# Altium PCB RPI_HAT_AMP_TAS5756_01.PcbDoc (continued)
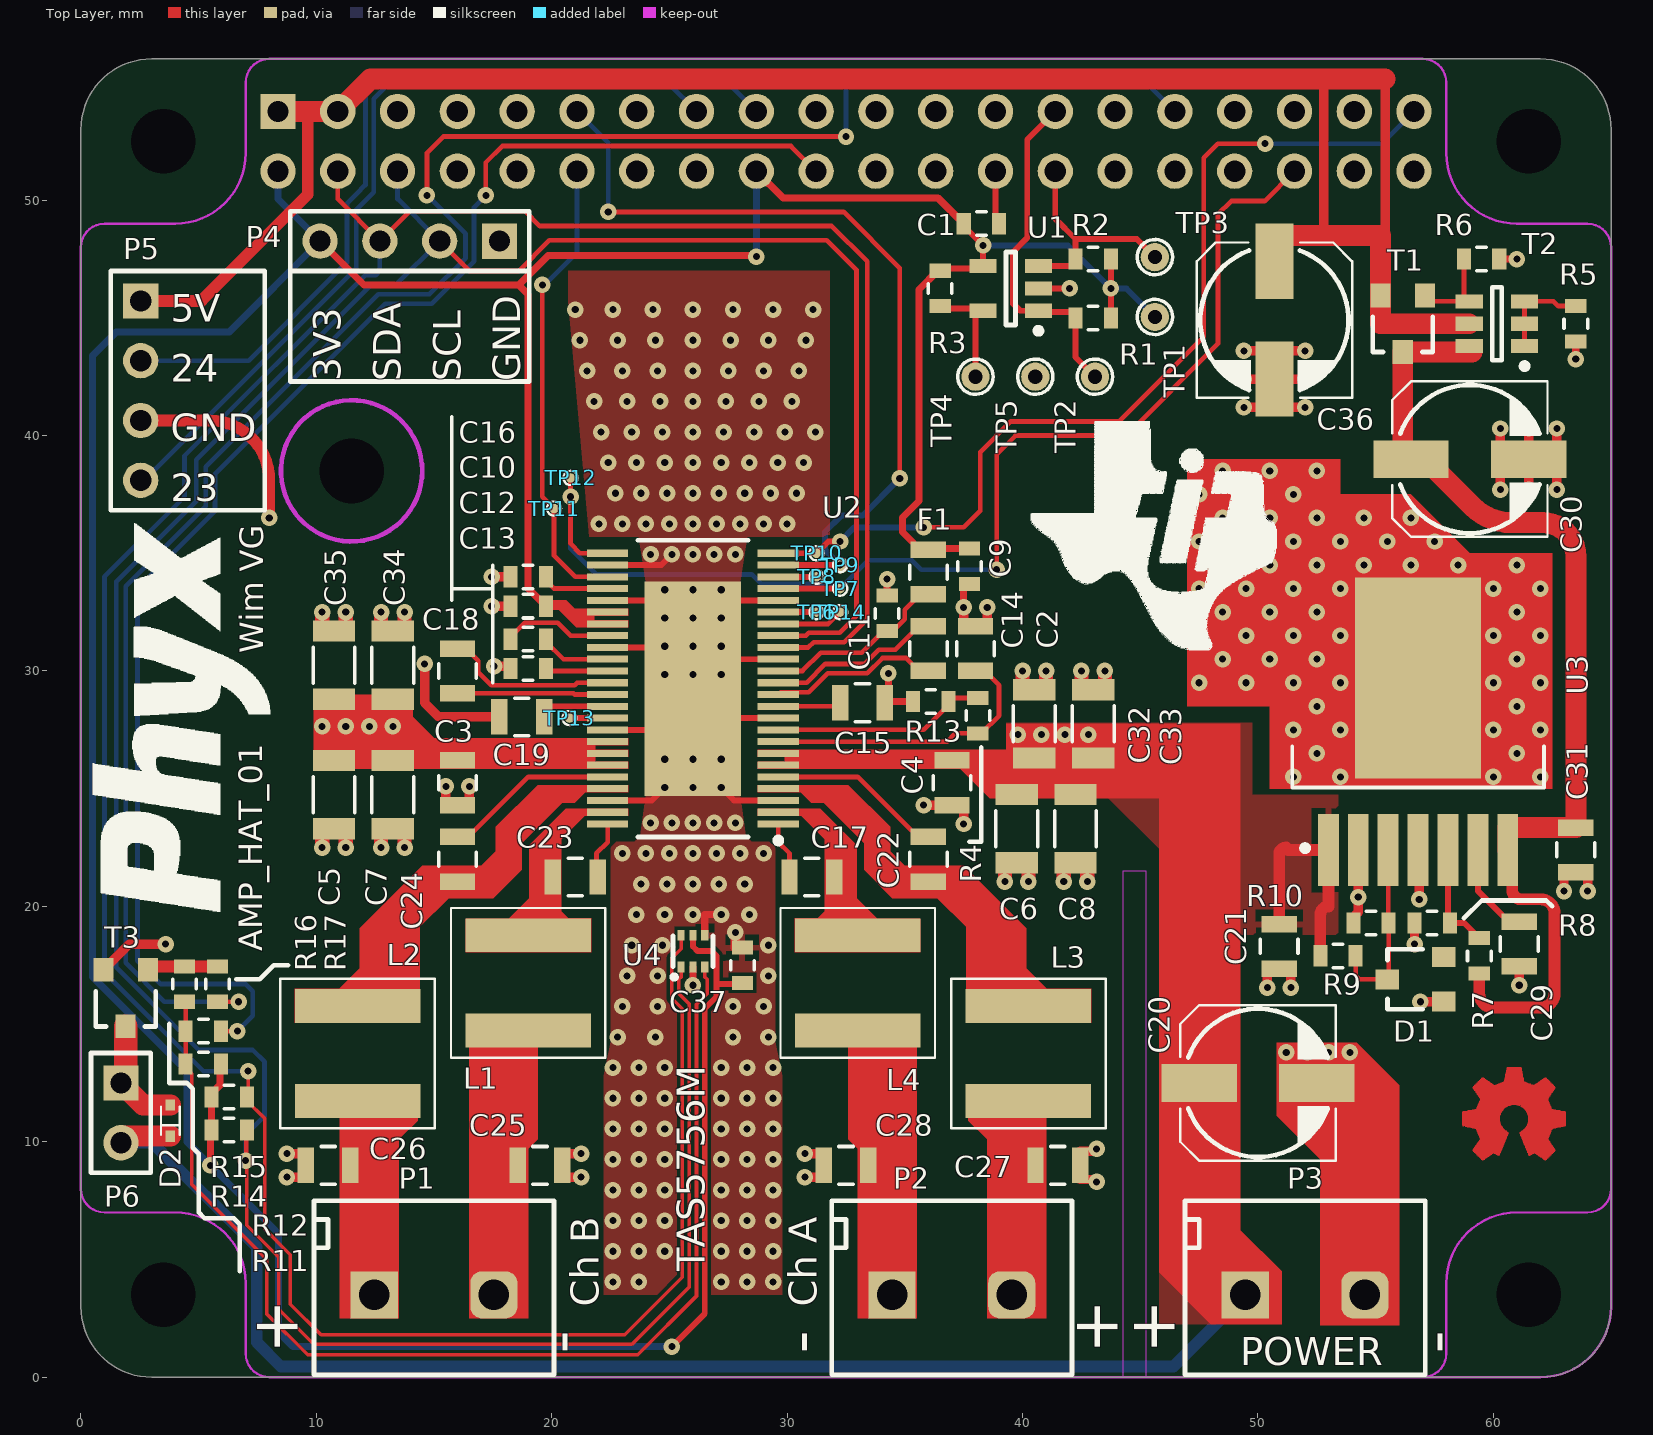
[diagram p0: Top Layer view]
## Footprints (in the part's own frame and the unit in brackets; to place one, negate y for a bottom-side part, rotate by r counter-clockwise, add the part's x,y. Pads: shape width x height; smd on the part's side, far side on the other; paste and mask are expansions set on the pad) (continued)
  rect 1.43x5.33 smd: 1(-2.02,0) 2(2.02,0)
  silkscreen extent -3.18,-3.28 3.18,3.28, body extent -3.28,-3.38 3.28,3.38, height 6.1

## Part data
C1 C37: library part "CAP # 100nF 16V 0603", "Capacitor Ceramic"
C2: library part "CAP # 1uF 25V 0805", "Capacitor Ceramic"
C3 C4 C21 C31: library part "CAP # 100nF 50V 0805", "Capacitor Ceramic"
C5 C6 C7 C8 C32 C33 C34 C35: library part "CAP # 22uF 35V 1206 X5R", "Capacitor Ceramic"
C9 C10 C11 C12 C13 C16: library part "CAP # 1uF 16V 0603", "Capacitor Ceramic"
C14 C15 C18 C19: library part "CAP # 2u2F 25V 0805", "Capacitor Ceramic"
C17 C22 C23 C24: library part "CAP # 220nF 50V 0805", "Capacitor Ceramic"
C20 C30 C36: library part "CAP # 22uF 35V 6mm3", "Capacitor electrolyt"
C25 C26 C27 C28 C29: library part "CAP # 680nF 50V 0805", "Capacitor Ceramic"
D1: library part "Zen # BZX84 5V1", "Default Diode"
D2: library part "Schottky NSR0240V2T1G", "=Description"
F1: library part "FER # 120R 0.8A 0805 0R12"
L1 L2 L3 L4: library part "IND # 4u7H 11A"
P1 P2 P3: library part "Terminal Block 5,08mm 2way"
P4 P5: library part "Pin Header 2.54mm 4way"
P6: library part "Pin Header 2.54mm 2way"
Pi: library part "Receptable 2.54mm dual row 40way", "=Description"
R1 R2 R11 R12 R14: library part "RES # 3K9 0603"
R3: library part "RES # 1K 0603"
R4: library part "RES # 150K 0603"
R5: library part "RES # 10K 0603"
R6: library part "RES # 47K 0603"
R7: library part "RES # 5K62 0603"
R8: library part "RES # 1K07 0603"
R9: library part "RES # 42K2 0603"
R10: library part "RES # 12K7 0603"
R13: library part "RES # 680K 0603"
R15 R16 R17: library part "RES # 0R 0603"
T1: library part "TSM2311CX P-Ch MOSFET 4A", "=Description"
T2: library part "DMMT5401-7-F matched PNP"
T3: library part "ZXMN2B01F N-Ch MOSFET 2.4A 4.5Vgs 30Vds"
TP1 TP2 TP3 TP4 TP5: library part "TP 1.2mm"
TP6 TP7 TP8 TP9 TP10 TP11 TP12 TP13 TP14: library part "TP # 0.4mm"
U1: library part "EEPROM # I2C 8Kx8b 24LC64T-I/OT", "=Description"
U2: library part "AMP # AUD TAS5756M", "=Description"
U3: library part "PWR # MOD LMZ23603 3A", "=Description"
U4: library part "TEMP # TMP112", "=Description"

## Free pads (board coordinates)
  round 1.3 hole 2.75 unplated mask+2.45: 0(3.5,3.5) 0(3.5,52.5) 0(11.5,38.5) 0(61.5,3.5) 0(61.5,52.5)

## Via types
v1: diameter 0.7, hole 0.3, Top Layer to Bottom Layer, tented top, 250 vias
v2: diameter 0.7, hole 0.3, Top Layer to Bottom Layer, tented both sides, 76 vias

## Nets (pads, with @x,y where several pads share a name; then routed paths per layer and width w, separated by ;. In a path a pad name is that pad's centre, name@x,y a point inside that pad or via, vN(x,y) a via of type N, cw(c..) or ccw(c..) an arc to the next point about the centre after c; other vN are vias at no path point)
3V3: C1.1 C9.1 C10.1 C37.1 F1.1 P4.4 Pi.2 Pi.18 R1.1 R2.1 R3.1 R11.1 R12.1 R14.1 TP1.1 U1.4 U2.30 U2.31 U4.5 | length 179
  Top Layer w0.25: v1(25.1,1.3) 26.5,2.7 26.5,15.661 27,16.161 27,16.7 ; U4.5 26,18.3 26.2,18.1 26.8,18.1 27,17.9 27,16.7 ; C37.1 28.05,16.7 27,16.7 ; R3.1 36.6,47.1 38.225,47.1 U1.4 v1(38.325,48.075) 37.5,48.9 C1.1 ; R1.1 v2(43.75,46.25) R2.1
  Top Layer w0.3: v1(5.5,9) 5.5,10.45 R11.1 R12.1 5.55,12.05 5.9,12.4 5.9,13.25 R14.1 ; P4.4 12.02,46.4 18.6,46.4 ; C10.1 19,33.5 19,46 18.6,46.4 ; v1(28.69,47.6) 28.64,47.65 19.85,47.65 18.6,46.4 ; Pi.18 29.82,50.1 36.4,50.1 C1.1 ; R3.1@36.4,47 35.6,46.2 35.6,37.216 34.9,36.516 34.9,35.9 35.6,35.2 C9.1
  Bottom Layer w0.25: v1(38.325,48.075) 41.925,48.075 v2(43.75,46.25) 44.41,46.25 TP1.1
  Bottom Layer w0.3: Pi.2 8.37,50.05 P4.4 6.3,44.4 1.5,44.4 0.5,43.4 0.5,17 4.5,13 4.5,10 v1(5.5,9) 8.4,6.1 8.4,1.9 9,1.3 v1(25.1,1.3) ; v1(28.69,47.6) Pi.18
3V3A: C11.1 F1.2 U2.14 | length 7.9
  Top Layer w0.2: U2.14 30.65,30 31.425,30.775 33.175,30.775 C11.1@34.175,31.775 ; C11.1 34.5,31.7 35,32.2 35,32.6 35.65,33.25 F1.2
5V: C30.1 C31.1 R7.1 T1.3 T2.6 U3.7 | length 44.2
  Top Layer w0.5: R7.1 59.4,16.3 ccw(c60,16.3) 60,15.7 62,15.7 ccw(c62,16.3) 62.6,16.3 62.6,19.708 ccw(c62.008,19.708) 62.008,20.3 61.2,20.3 cw(c61.2,20.7) 60.8,20.7 60.8,22.205 ccw(c60.61,22.205) U3.7
  Top Layer w0.89: T2.6@59.1,43.55 T1.3 56.15,39.35 C30.1 57.1,39 59.1,37 ccw(c60.79,38.69) 60.79,36.3 62.1,36.3 cw(c62.1,34.9) 63.5,34.9 C31.1 60.61,23.35 U3.7
5V_PI: C36.1 P5.1 Pi.1 Pi.3 T1.2 T2.5 | length 85.2
  Top Layer w0.4: 52.8,55.04 52.8,48.8 53.1,48.5 ; 55.2,48.5 55.4,48.7 55.4,55.055
  Top Layer w0.5: P5.1 5.12,45.72 9.64,50.24 9.64,53.77
  Top Layer w0.89: Pi.1 9.64,53.77 Pi.3 12.295,55.155 55.4,55.155 ; C36.1@50.9,48.5 55.2,48.5 55.2,44.75 T2.5
AMP_GPIO0: TP14.1 U2.18 | length 2.8
  Top Layer w0.2: U2.18 31.75,32 TP14.1
AMP_GPIO1: TP6.1 U2.19 | length 1.6
  Top Layer w0.25: U2.19 TP6.1
AMP_GPIO2: TP7.1 U2.21 | length 2.6
  Top Layer w0.25: U2.21 TP7.1
GND: C1.2 C2.2 C3.2 C4.2 C5.2 C6.2 C7.2 C8.2 C9.2 C10.2 C11.2 C13.2 C15.1 C16.2 C19.1 C20.2 C21.2 C25.1 C26.1 C27.1 C28.1 C29.1 C30.2 C31.2 C32.2 C33.2 C34.2 C35.2 C36.2 C37.2 D1.1 P3.2 P4.1 P5.3 Pi.5 Pi.10 Pi.13 Pi.19 Pi.26 Pi.29 Pi.33 Pi.40 R5.2 R6.2 R8.2 R10.1 R13.1 T3.2 TP5.1 U1.2 U2.3 U2.10 U2.15 U2.20 U2.26 U2.29 U2.33 U2.40 U2.46 U2.49 U3.2 U3.4 U3.8 U4.2 U4.4 | length 111.7
  Top Layer w0.25: U2.46 24.25,24.5 v1(24.8,25.05) ; U2.40 24.75,27.5 U2.49@24.8,27.45 ; U2.33 24.75,31 v1(24.8,31.05) ; U2.29 24.35,33 v1(24.8,33.45) ; U2.26 24.65,34.5 v1(25.1,34.95) ; v1(27.2,25.05) 27.75,24.5 U2.3 ; U2.49@27.2,27.45 27.75,28 U2.10 ; v1(27.2,29.85) 27.85,30.5 U2.15 ; v1(27.2,33.45) 27.65,33 U2.20 ; U1.2 v2(42,46.25)
  Top Layer w0.254: Pi.26 38.85,49.15 C1.2
  Top Layer w0.3: v1(26,16.65) U4.2 ; U4.4 26.5,19.65 v1(27.2,19.65) ; C11.2 v1(34.25,33.9) ; v1(34.3,29.9) 34.3,28.8 34.2,28.7 R13.1 ; v1(37.5,32.7) 37.5,33.625 37.575,33.7 C9.2 ; R6.2 v1(61,47.5) ; v1(63.5,43.25) R5.2
  Top Layer w0.4: T3.2 2.05,18.4 v1(3.6,18.4) ; v1(8.75,8.5) C26.1@9.55,8.5 ; v1(8.75,9.5) C26.1@9.55,9.5 ; v1(14.6,30.3) 14.6,28.65 15.2,28.05 C19.1 ; C3.2@15.5,24.3 v1(15.5,25.1) ; C3.2@16.5,24.3 v1(16.5,25.1) ; v1(17.45,32.75) C10.2 ; v1(17.45,34) C16.2 ; v1(17.55,30.2) 18.15,30.2 C13.2 ; C25.1@20.45,8.5 v1(21.25,8.5) ; C25.1@20.45,9.5 v1(21.25,9.5) ; v1(27.8,18.9) 27.8,18.25 C37.2 ; v1(30.75,8.5) C28.1@31.55,8.5 ; v1(30.75,9.5) C28.1@31.55,9.5 ; v1(35.8,24.3) C4.2 ; v1(37.5,23.5) C4.2@37.5,24.3 ; C2.2@37.5,31.9 v1(37.5,32.7) ; C2.2@38.5,31.9 v1(38.5,32.7) ; C27.1@42.45,8.4 43.05,8.4 v1(43.15,8.3) ; C27.1@42.45,9.6 43.05,9.6 v1(43.15,9.7) ; v2(49.4,41.2) v2(52,41.2) ; v2(49.4,42.4) C36.2 v2(52,42.4) ; v2(49.4,43.6) v2(52,43.6) ; v1(50.4,16.55) 50.4,17.35 C21.2 51.4,17.35 v1(51.4,16.55) ; C20.2@51.2,13 v1(51.2,13.8) ; C20.2@52.1,13 v1(52.1,13.8) ; C20.2@53,13 v1(53,13.8) ; C20.2@53.9,13 v1(53.9,13.8) ; R10.1 54.05,19.55 54.26,19.76 v1(54.26,20.395) U3.2 ; v1(56.65,18.4) R8.2 ; U3.4 56.85,22.395 v1(56.85,20.3) ; v1(56.9,15.95) D1.1 ; v2(60.3,37.7) v2(60.3,40.3) ; v1(61.1,16.65) C29.1 ; v2(61.5,37.7) C30.2 v2(61.5,40.3) ; v2(62.7,37.7) v2(62.7,40.3) ; v1(63,20.65) 63,21.45 C31.2 64,21.45 v1(64,20.65)
  Top Layer w0.5: P5.3 5.46,40.64 cw(c5.46,38.1) 8,38.1 v1(8,36.5)
  Top Layer w0.6: v1(10.25,22.5) C5.2@10.25,23.3 ; C35.2@10.25,31.7 v1(10.25,32.5) ; v1(11.25,22.5) C5.2@11.25,23.3 ; C35.2@11.25,31.7 v1(11.25,32.5) ; v1(12.75,22.5) C7.2@12.75,23.3 ; C34.2@12.75,31.7 v1(12.75,32.5) ; v1(13.75,22.5) C7.2@13.75,23.3 ; C34.2@13.75,31.7 v1(13.75,32.5) ; v1(39.25,21.05) C6.2@39.25,21.85 ; C32.2@40,29.2 v1(40,30) ; v1(40.25,21.05) C6.2@40.25,21.85 ; C32.2@41,29.2 v1(41,30) ; v1(41.75,21.05) C8.2@41.75,21.85 ; C33.2@42.5,29.2 v1(42.5,30) ; v1(42.75,21.05) C8.2@42.75,21.85 ; C33.2@43.5,29.2 v1(43.5,30)
  other v1: 22.6,4.05 23.7,4.05 27.2,4.05 28.3,4.05 29.4,4.05 22.6,5.35 23.7,5.35 24.8,5.35 27.2,5.35 28.3,5.35 29.4,5.35 22.6,6.65 23.7,6.65 24.8,6.65 27.2,6.65 28.3,6.65 29.4,6.65 22.6,7.95 23.7,7.95 24.8,7.95 27.2,7.95 28.3,7.95 29.4,7.95 22.6,9.25 23.7,9.25 24.8,9.25 27.2,9.25 28.3,9.25 29.4,9.25 22.6,10.55 23.7,10.55 24.8,10.55 27.2,10.55 28.3,10.55 29.4,10.55 22.6,11.85 23.7,11.85 24.8,11.85 27.2,11.85 28.3,11.85 29.4,11.85 22.6,13.15 23.7,13.15 24.8,13.15 27.2,13.15 28.3,13.15 29.4,13.15 22.8,14.45 24.4,14.45 27.7,14.45 29.2,14.45 23,15.75 24.5,15.75 27.7,15.75 29,15.75 23.2,17.05 24.5,17.05 29.2,17.05 23.4,18.35 24.7,18.35 29.2,18.35 23.6,19.65 24.8,19.65 26,19.65 28.4,19.65 23.8,20.95 24.9,20.95 26,20.95 27.1,20.95 28.2,20.95 23,22.25 24,22.25 25,22.25 26,22.25 27,22.25 28,22.25 29,22.25 24.2,23.55 25.1,23.55 26,23.55 26.9,23.55 27.8,23.55 26,25.05 24.8,26.25 26,26.25 27.2,26.25 24.8,29.85 26,29.85 26,31.05 27.2,31.05 24.8,32.25 26,32.25 27.2,32.25 26,33.45 24.2,34.95 26,34.95 26.9,34.95 27.8,34.95 22,36.25 23,36.25 24,36.25 25,36.25 26,36.25 27,36.25 28,36.25 29,36.25 30,36.25 22.7,37.55 23.8,37.55 24.9,37.55 26,37.55 27.1,37.55 28.2,37.55 29.3,37.55 30.4,37.55 22.4,38.85 23.6,38.85 24.8,38.85 26,38.85 27.2,38.85 28.4,38.85 29.6,38.85 30.7,38.85 22.1,40.15 23.4,40.15 24.7,40.15 26,40.15 27.3,40.15 28.6,40.15 29.9,40.15 31.2,40.15 21.8,41.45 23.2,41.45 24.6,41.45 26,41.45 27.4,41.45 28.8,41.45 30.2,41.45 21.5,42.75 23,42.75 24.5,42.75 26,42.75 27.5,42.75 29,42.75 30.5,42.75 21.2,44.05 22.8,44.05 24.4,44.05 26,44.05 27.6,44.05 29.2,44.05 30.8,44.05 21,45.35 22.6,45.35 24.3,45.35 26,45.35 27.7,45.35 29.4,45.35 31.1,45.35
  other v2: 51.5,25.5 53.5,25.5 60,25.5 62,25.5 52.5,26.5 61,26.5 51.5,27.5 53.5,27.5 60,27.5 62,27.5 52.5,28.5 61,28.5 47.5,29.5 49.5,29.5 51.5,29.5 53.5,29.5 60,29.5 62,29.5 48.5,30.5 50.5,30.5 52.5,30.5 61,30.5 47.5,31.5 49.5,31.5 51.5,31.5 53.5,31.5 60,31.5 62,31.5 48.5,32.5 50.5,32.5 52.5,32.5 61,32.5 47.5,33.5 49.5,33.5 51.5,33.5 53.5,33.5 60,33.5 62,33.5 48.5,34.5 50.5,34.5 52.5,34.5 54.5,34.5 56.5,34.5 58.5,34.5 61,34.5 47.5,35.5 49.5,35.5 51.5,35.5 53.5,35.5 55.5,35.5 57.5,35.5 48.5,36.5 50.5,36.5 52.5,36.5 54.5,36.5 56.5,36.5 47.5,37.5 49.5,37.5 51.5,37.5 48.5,38.5 50.5,38.5 52.5,38.5
GPIO4: Pi.8
GPIO5: Pi.30
GPIO6: Pi.32
GPIO7: Pi.25
GPIO8: Pi.23
GPIO9: Pi.22
GPIO10: Pi.20 R15.1 | length 64.1
  Top Layer w0.2: R15.1 v1(6.65,14.7) ; v1(17.2,50.2) 17.2,51.6 17.9,52.3 30.16,52.3 Pi.20
  Bottom Layer w0.2: v1(6.65,14.7) 7.3,15.35 7.3,16.4 7,16.7 3.4,16.7 2.4,17.7 2.4,33.5 5.7,36.8 5.7,38.375 12.925,45.6 14.9,45.6 16.7,47.4 16.7,49.7 v1(17.2,50.2)
GPIO11: Pi.24
GPIO12: Pi.31 R17.2 | length 83.8
  Top Layer w0.2: R17.2 v1(6.7,15.95) ; v1(14.7,50.2) 14.7,52 15.4,52.7 v1(32.5,52.7)
  Bottom Layer w0.2: v1(6.7,15.95) 3.55,15.95 1.9,17.6 1.9,33.595 5.3,36.995 5.3,38.675 12.625,46 14.805,46 16.34,47.535 16.34,48.574 14.714,50.2 v1(14.7,50.2) ; v1(32.5,52.7) 32.5,54.84 32.96,55.3 44.94,55.3 Pi.31
GPIO13: Pi.34
GPIO14: Pi.7
GPIO15: Pi.9
GPIO16: Pi.35
GPIO20: Pi.37
GPIO22: Pi.16
GPIO23: P5.4 Pi.15 | length 34.9
  Bottom Layer w0.2: P5.4 2.7,38.1 11.7,47.1 11.7,49.6 12.44,50.34 12.44,54.305 13.085,54.95 24.97,54.95 Pi.15
GPIO24: P5.2 Pi.17 | length 35.5
  Bottom Layer w0.2: P5.2 7.125,43.18 11.3,47.355 11.3,49.855 11.69,50.245 11.69,50.25 12.086,50.646 12.086,54.446 12.94,55.3 27.16,55.3 Pi.17
GPIO25: Pi.21
GPIO26: Pi.38
GPIO27: Pi.14
ID_SC: Pi.27 R1.2 TP2.1 U1.1 | length 14.6
  Top Layer w0.25: U1.1 39.9,45.3 39.6,45.6 39.6,47.8 40.2,48.4 40.2,52.58 Pi.27 ; U1.1@40.725,45.25 R1.2@42.25,45.25
  Top Layer w0.254: U1.1 U1.1@40.725,45.25 ; R1.2 42.25,43.33 TP2.1
ID_SD: Pi.28 R2.2 TP3.1 U1.3 | length 9.7
  Top Layer w0.25: U1.3 42.25,47.2 R2.2 42.25,48.35 ; Pi.28 41.39,49.21 42.25,48.35 ; TP3.1 44.85,48.35 42.25,48.35
ID_WP: R3.2 TP4.1 U1.5 | length 5
  Top Layer w0.25: R3.2 36.6,45.4 38.225,45.4 U1.5 38,45.3 TP4.1
MCLK: TP8.1 U2.22 | length 1.6
  Top Layer w0.25: U2.22 TP8.1
NetC2_1: C2.1 R4.2 U2.8 | length 12.4
  Top Layer w0.2: U2.8 36.8,27 37.15,27.35 R4.2 38.25,27.35 39,28.1 39,29.4 38.4,30 C2.1
NetC12_1: C12.1 U2.32 | length 4.7
  Top Layer w0.2: C12.1 18.25,31.45 18.85,32.05 20.25,32.05 20.8,31.5 U2.32
NetC12_2: C12.2 U2.34 | length 3.2
  Top Layer w0.2: C12.2@19.75,31.5 C12.2 19.75,31.25 20.5,30.5 U2.34
NetC13_1: C13.1 U2.35 | length 2.7
  Top Layer w0.2: C13.1@19.75,30.25 20,30 U2.35
NetC14_1: C14.1 U2.13 | length 7.4
  Top Layer w0.2: U2.13 30.825,29.5 31.625,30.3 33.3,30.3 33.9,30.9 34.6,30.9 35.6,31.9 C14.1
NetC14_2: C14.2 U2.12 | length 7.2
  Top Layer w0.2: U2.12 29.725,29.1 30.92,29.1 31.72,29.9 33.4,29.9 34.05,30.55 35.05,30.55 35.6,30 C14.2
NetC15_2: C15.2 U2.11 | length 2.7
  Top Layer w0.2: U2.11 32.1,28.5 C15.2
NetC16_1: C16.1 U2.28 | length 2.9
  Top Layer w0.2: C16.1 19.75,33.85 20.1,33.5 U2.28
NetC17_1: C17.1 L4.1 U2.2
NetC17_2: C17.2 U2.1 | length 2.4
  Top Layer w0.2: U2.1 29.625,22.725 30.1,22.25 C17.2
NetC18_1: C18.1 U2.36 | length 7.3
  Top Layer w0.2: C18.1 16.35,30.95 16.875,30.425 16.875,29.95 17.425,29.4 20.975,29.4 21.075,29.5 U2.36
NetC18_2: C18.2 U2.37 | length 6.4
  Top Layer w0.2: C18.2 18.754,29.05 19.746,29.05 20.925,29.05 20.975,29 U2.37
NetC19_2: C19.2 U2.38 | length 3
  Top Layer w0.25: C19.2 19.675,28.3 19.875,28.5 U2.38
NetC22_1: C22.1 L3.1 U2.4
NetC22_2: C22.2 U2.5 | length 7.4
  Top Layer w0.2: U2.5 33,25.5 35.55,22.95 C22.2
NetC23_1: C23.1 L1.1 U2.47
NetC23_2: C23.2 U2.48 | length 2.4
  Top Layer w0.2: C23.2@21.9,21.25 21.9,22.25 22.375,22.725 U2.48
NetC24_1: C24.1 L2.1 U2.45
NetC24_2: C24.2 U2.44 | length 7.4
  Top Layer w0.2: C24.2 16.45,22.95 19,25.5 U2.44
NetC25_2: C25.2 L1.2 P1.2
NetC26_2: C26.2 L2.2 P1.1
NetC27_2: C27.2 L3.2 P2.2
NetC28_2: C28.2 L4.2 P2.1
NetC29_2: C29.2 U3.6 | length 4
  Top Layer w0.25: U3.6 59.34,20.66 60.65,19.35 C29.2
NetD1_3: D1.3 R9.2 R10.2 U3.3 | length 7.8
  Top Layer w0.2: R9.2 54.15,17.05 54.3,16.9 D1.3 55.55,16.95 R10.2 55.53,19.32 U3.3
NetD2_2: D2.2 P6.1 T3.3 | length 5
  Top Layer w0.89: P6.1 2.64,11.56 D2.2
  Top Layer w1: P6.1 1.9,12.7 T3.3
NetR4_1: R4.1 R13.2 U2.9 | length 9.1
  Top Layer w0.2: U2.9 35.8,27.5 36.85,28.55 R13.2 37,28.85 R4.1
NetR5_1: R5.1 T2.1 T2.2 T2.3 | length 4.2
  Top Layer w0.2: T2.1 T2.2 T2.3 62.55,45.7 62.75,45.5 R5.1
NetR6_1: R6.1 T1.1 T2.4 | length 4
  Top Layer w0.2: T1.1 57.35,45.7 T2.4 58.8,45.7 58.75,45.75 R6.1
NetR7_2: R7.2 R8.1 U3.5 | length 4.6
  Top Layer w0.25: U3.5 58.07,19.38 R8.1 58.75,19.3 R7.2
NetR14_2: R14.2 R15.2 R16.2 U4.3 | length 48.9
  Top Layer w0.15: R14.2 4.45,13.15 4.7,12.9 4.7,8.2 7.9,5 7.9,2.686 9.636,0.95 23.65,0.95 26.15,3.45 26.15,15.85 26.6,16.3 26.6,16.9 26.5,17 U4.3
  Top Layer w0.2: R16.2 4.45,15.9 R15.2 R14.2
NetR16_1: R16.1 R17.1 T3.1 | length 3
  Top Layer w0.5: T3.1 3,17.45 R16.1 R17.1
PCM_CLK: Pi.11 TP9.1 U2.23 | length 35.5
  Top Layer w0.2: v1(22.4,49.5) 32.4,49.5 34.784,47.116 v1(34.784,38.184)
  Top Layer w0.25: U2.23 v1(32.25,34.5)
  Bottom Layer w0.2: Pi.11 22.4,52.44 v1(22.4,49.5)
  Bottom Layer w0.25: v1(32.25,34.5) 31.6,35.15 31.6,35.9 32.3,36.6 33.2,36.6 v1(34.784,38.184)
PCM_DOUT: Pi.39 TP10.1 U2.24 | length 40.7
  Top Layer w0.2: v1(35.8,36.1) 37.5,36.1 38.2,36.8 38.2,39.3 39.5,40.6 44.1,40.6 47.7,44.2 47.7,51.8 48.3,52.4 v1(50.3,52.4)
  Top Layer w0.25: U2.24 TP10.1 31.75,35.5 v1(32.25,35.5)
  Bottom Layer w0.2: v1(50.3,52.4) 55.26,52.4 Pi.39
  Bottom Layer w0.25: v1(32.25,35.5) 32.85,36.1 v1(35.8,36.1)
PCM_FS: Pi.36 TP12.1 U2.25 | length 51.8
  Top Layer w0.2: TP12.1 v1(20.8,37.4) 20.8,35.4 21.2,35 U2.25 ; v1(38.9,34.3) 38.9,39.2 39.7,40 44.4,40 48.3,43.9 48.3,49.4 48.86,49.96 50.28,49.96 Pi.36
  Bottom Layer w0.2: v1(20.8,37.4) 20.8,35.2 21.9,34.1 28.5,34.1 28.9,33.7 32.45,33.7 33.45,34.7 35.3,34.7 35.7,34.3 v1(38.9,34.3)
PVDD: C3.1 C4.1 C5.1 C6.1 C7.1 C8.1 C20.1 C21.1 C32.1 C33.1 C34.1 C35.1 D2.1 P3.1 P6.2 R9.1 U2.6 U2.7 U2.41 U2.42 U2.43 U3.1 | length 67.7
  Top Layer w0.5: C21.1 50.9,22.2 cw(c51.2,22.2) 51.2,22.5 ccw(c51.305,22.5) 51.305,22.395 U3.1 53,22.395 53,20 ccw(c53,19.65) 52.65,19.65 R9.1
  Top Layer w0.89: P6.2 1.7,10.24 D2.1
  Bottom Layer w0.5: P6.2 3.04,9.96 7.467,5.533 7.467,1.483 8.5,0.45 46.41,0.45 P3.1
  other v1: 39.8,27.3 40.8,27.3 41.8,27.3 42.8,27.3 10.25,27.65 11.25,27.65 12.25,27.65 13.25,27.65
S\P\K\_\F\A\U\L\T\: TP13.1 U2.39 | length 1.6
  Top Layer w0.25: TP13.1 U2.39
S\P\K\_\M\U\T\E\: Pi.12 TP11.1 U2.27 | length 19.9
  Top Layer w0.2: v1(19.6,46.4) 19.6,37.4 TP11.1 20.1,34.9 21,34 U2.27
  Bottom Layer w0.2: v1(19.6,46.4) 19.7,46.4 21.07,47.77 Pi.12
SCL: P4.2 Pi.6 R11.2 U2.17 U4.1 | length 133.4
  Top Layer w0.15: v1(7,9.2) 7,10.45 R11.2 7.05,6.45 8.4,5.1 8.4,2.893 9.893,1.4 23.407,1.4 25.85,3.843 25.85,15.85 25.4,16.3 25.4,16.9 25.5,17 U4.1
  Top Layer w0.2: P4.2 16.51,46.99 18.59,46.99 19.9,48.3 31.68,48.3 32.95,47.03 32.95,32.35 32.225,31.625 30.925,31.625 30.8,31.5 U2.17
  Bottom Layer w0.2: v1(7,9.2) 7,10.3 7.8,11.1 7.8,13.4 7.3,13.9 5.014,13.9 4.4,14.514 1.5,17.414 1.5,33.8 4.9,37.2 4.9,38.975 12.325,46.4 13.38,46.4 P4.2 13.45,50.05 Pi.6
SDA: P4.3 Pi.4 R12.2 U2.16 U4.6 | length 133.1
  Top Layer w0.15: v1(7.1,13) 7.1,11.95 R12.2 7.05,11.75 7.8,11 7.8,6.3 8.9,5.2 8.9,3.1 10.2,1.8 23.1,1.8 25.55,4.25 25.55,15.65 25.1,16.1 25.1,17.8 25.5,18.2 U4.6
  Top Layer w0.2: Pi.4 10.91,50.05 P4.3 13.97,49.53 18.87,49.53 19.5,48.9 31.9,48.9 33.4,47.4 33.4,32.2 32.425,31.225 31.125,31.225 30.9,31 U2.16
  Bottom Layer w0.2: v1(7.1,13) 5.207,13 1,17.207 1,34 4.4,37.4 4.4,39.14 12.08,46.82 12.52,46.82 12.7,47 P4.3
pads on no net: D1.2

## Polygon pours and split planes (outlines as drawn)
PVDD on Top Layer "T_PVDD" (solid, remove dead copper, pour order 6): 39.3,24.75 39.3,27.8 49.75,27.8 49.75,24.75 53.4,24.75 53.4,18.8 49.1,18.8 49.1,2.25 45.8,2.25 45.8,22.45 43.5,24.75
GND on Top Layer "T_GND_Cooling" (solid, remove dead copper, pour order 8): 31.8,47 20.7,47 20.7,45.7 21.6,35.7 23.7,35.7 24,33.8 24,24.8 28,24.8 28,33.8 28.3,35.7 31.8,35.7
GND on Top Layer "T_GND_Cooling" (solid, remove dead copper, pour order 7): 29.8,12.8 29.8,3.5 22.2,3.5 22.2,12.8 22.5,14.25 22.5,22.5 22.75,22.75 23.5,22.75 23.75,23 24,24.7 24,33.7 28,33.7 28,24.7 28.25,23 28.5,22.75 29.25,22.75 29.5,22.5 29.5,14.25
GND on Bottom Layer "B_GND" (solid, remove dead copper, pour order 10): 0,56 65,56 65,0 0,0 0,56
PVDD on Bottom Layer "B_PVDD" (solid, remove dead copper, pour order 9): 9.5,25.75 14,25.75 14.75,26.5 37.5,26.5 38.25,25.75 43.5,25.75 43.5,29.75 9.5,29.75

## Keep-outs
Top Layer:
  rectangle: 44.25,0 45.25,21.5
Bottom Layer:
  rectangle: 44.25,1 45.25,20
Keep-Out Layer:
  circle w0.2: c11.5,38.5 r3
  lines w0.1: 57,0 ccw(c57,1) 58,1 58,4 cw(c61,4) 61,7 64,7 ccw(c64,8) 65,8 ; 0,8 ccw(c1,8) 1,7 4,7 cw(c4,4) 7,4 7,1 ccw(c8,1) 8,0 62,0 ccw(c62,3) 65,3 65,48 ccw(c64,48) 64,49 61,49 cw(c61,52) 58,52 58,55 ccw(c57,55) 57,56 8,56 ccw(c8,55) 7,55 7,52 cw(c4,52) 4,49 1,49 ccw(c1,48) 0,48 0,8
  text ".Layer_Name" at 305.5,-28 h3.5

## Other copper
Top Layer:
  region net GND: 54.2,14.2 50.8,14.2 50.8,11.1 52.65,9.25 52.65,2.2 56,2.2 56,12.4
  region net NetC23_1: 23.25,24.15 23.25,23.85 21.4,23.85 20.4,22.85 20.4,19.8 20.7,19.5 21.675,19.5 21.675,18.05 16.35,18.05 16.35,19.475 18.175,19.475 19.05,20.35 19.05,22.6 20.6,24.15
  region net NetC17_1: 28.75,24.15 28.75,23.85 30.6,23.85 31.6,22.85 31.6,19.8 31.3,19.5 30.325,19.5 30.325,18.05 35.65,18.05 35.65,19.475 33.825,19.475 32.95,20.35 32.95,22.6 31.4,24.15
  region net NetC24_1: 23.25,25.15 23.25,24.85 21.425,24.85 20.975,24.4 20.45,24.4 18.725,22.675 18.725,21.55 17.525,20.35 15.625,20.35 14.4,19.125 14.4,15.05 9.075,15.05 9.075,16.5 10.975,16.5 11.85,17.375 11.85,19.075 14.5,21.725 17,21.725 17.625,22.35 17.625,23.375 19.4,25.15
  region net NetC22_1: 28.75,25.15 28.75,24.85 30.575,24.85 31.025,24.4 31.55,24.4 33.275,22.675 33.275,21.55 34.475,20.35 36.375,20.35 37.6,19.125 37.6,15.05 42.925,15.05 42.925,16.5 41.025,16.5 40.15,17.375 40.15,19.075 37.5,21.725 35,21.725 34.375,22.35 34.375,23.375 32.6,25.15
  region net NetC28_2: 35.5,2.5 35.5,15.4 32.6,15.4 32.6,10.1 33,9.7 33,2.5
  region net NetC25_2: 16.5,2.5 16.5,15.4 19.4,15.4 19.4,10.1 19,9.7 19,2.5
  region net NetC26_2: 13.5,2.5 13.5,10.1 14.3,10.9 14.3,12.4 11,12.4 11,2.5
  region net NetC27_2: 38.5,2.5 38.5,10.1 37.7,10.9 37.7,12.4 41,12.4 41,2.5
  region net PVDD: 23.25,27.15 23.25,26.85 21.85,26.85 21.85,26.65 23.25,26.65 23.25,26.35 21.85,26.35 21.85,26.15 23.25,26.15 23.25,25.85 9.9,25.85 9.9,29 14.1,29 14.1,28.05 15,27.15
  region net 3V3: 23.25,32.65 23.25,32.35 21.8,32.35 21.8,32.15 23.25,32.15 23.25,31.85 21.05,31.85 20.3,32.6 19.5,32.6 19.5,33 20.625,33 20.975,32.65
  region net PVDD: 28.75,26.65 28.75,26.35 29.9,26.35 29.9,26.15 28.75,26.15 28.75,25.85 37.35,25.85 38.6,24.6 49.25,24.6 49.25,27.75 39.3,27.75 39.3,26.65
  region: 1849 vertices and 1 holes, not listed, extent 58.679,9.217 63.075,13.17
  region net GND: 62.5,25 62.5,35 59,35 56.5,37.5 53.5,37.5 53.5,39 47,39 47,28.5 50.5,28.5 50.5,25
  region net PVDD: 48,2.25 51,2.25 51,4.5 49.25,6.25 49.25,27.75 45.8,27.75 45.8,4.45
  text ".Layer_Name" at 305.5,-28 h3.5
Bottom Layer:
  text ".Layer_Name" at 305.5,-28 h3.5

## Silkscreen, mask and mechanical layers (free items; w line width, h text height)
Top Overlay:
  drawing of 36 lines, arcs and shapes, not listed
  text "5V" at 3.81,44.45 h2
  text "3V3" at 11.43,42.3 h2 r90
  text "SDA" at 13.97,42.3 h2 r90
  text "SCL" at 16.51,42.3 h2 r90
  text "GND" at 19.05,42.3 h2 r90
  text "24" at 3.81,41.91 h2
  text "GND" at 3.81,39.37 h2
  text "23" at 3.81,36.83 h2
  text "Wim VG" at 7.75,30.75 h1 r90
  text "AMP_HAT_01" at 7.7,18.1 h1 r90
  text "TAS5756M" at 26.5,4.5 h1.2 r90
  text "Ch B" at 22,3 h1.2 r90
  text "Ch A" at 31.25,3 h1.2 r90
  text "+" at 7.5,1 h2 r270
  text "-" at 19.83,1 h2 r270
  text "-" at 30,1 h2 r270
  text "+" at 42.33,1 h2 r270
  text "+" at 44.75,1 h2 r270
  text "-" at 57,1 h2 r270
  text "POWER" at 49.25,0.5 h1.2
  text ".Layer_Name" at 305.5,-28 h3.5
Bottom Overlay:
  rectangle: 56.04,0 58,7
  rectangle: 47.96,2.4 56.04,4.6
  rectangle: 32.96,2.4 41.04,4.6
  rectangle: 10.96,2.4 19.04,4.6
  text "12-28V DC" at 65,7 h3
  text "+  -" at 10.96,4.6 h3
  text "+  -" at 41.04,4.6 h3
  text "+  -" at 47.96,4.6 h3
  text "Speakers" at 31.7,2.3 h1.5
  text "4 Ohm" at 31.8,0.3 h1.5
  text "Ch B" at 19.04,0 h3
  text "Ch A" at 41.04,0 h3
  text "PWR" at 56.04,0 h3
  text ".Layer_Name" at 305.5,-28 h3.5
Top Paste:
  text ".Layer_Name" at 305.5,-28 h3.5
Bottom Paste:
  text ".Layer_Name" at 305.5,-28 h3.5
Top Solder:
  rectangle: 21.5,36 30.5,46.5
  rectangle: 23.5,19.5 28.5,22.5
  rectangle: 22.5,4.05 25,15
  rectangle: 27,4 29.4,15
  text ".Layer_Name" at 305.5,-28 h3.5
Bottom Solder:
  text ".Layer_Name" at 305.5,-28 h3.5
Drill Guide:
  text ".Layer_Name" at 305.5,-28 h3.5
3D Symbols:
  text ".Layer_Name" at 305.5,-28 h3.5
Outline:
  the board outline again, w0.2
Comments:
  lines w0.5: 31.5,52.5 33.5,52.5 ; 32.5,51.5 32.5,53.5
  text "Center point" at 24,53.7 h1.52
  text ".Layer_Name" at 305.5,-28 h3.5
Fabrication:
  text ".Layer_Name" at 305.5,-28 h3.5
Placebound Top:
  text ".Layer_Name" at 305.5,-28 h3.5
Placebound Bottom:
  text ".Layer_Name" at 305.5,-28 h3.5
Frame:
  drawing of 15 lines, arcs and shapes, not listed
  text "Document" at 301,-13 h2
  text ".PCB_TITLE" at 302.5,-18.5 h4
  text "Layer Name" at 301,-23 h2
  text "Date" at 301,-33 h2
  text "Rev" at 341,-33 h2
  text ".Print_Date" at 304,-38.5 h3.5
  text ".PCB_REV" at 345.5,-38.5 h4
  text "Desginer" at 251,-43 h2
  text "Document" at 301,-43 h2
  text ".Pcb_File_Name_No_Path" at 302.5,-48 h1.5
  text ".PCB_ENGINEER" at 255.5,-48.5 h4
Assembly Top:
  text ".Layer_Name" at 305.5,-28 h3.5
Assembly Bottom:
  text ".Layer_Name" at 305.5,-28 h3.5
Drill Drawing:
  text ".legend" at 92.5,5.75 h2
  text ".Layer_Name" at 305.5,-28 h3.5

## Dimensions
3,56 to 0,0 on Fabrication
0,0 to 65,3 on Fabrication
0,0 to 3.5,3.5 on Drill Drawing
0,0 to 3.5,3.5 on Drill Drawing
62,53 to 67.5,57.6 on Fabrication

## Text inside footprints (layer, text, board x,y; h text height)
P1: Comments "IN" at 14.4,1 h0.8
P2: Comments "IN" at 36.4,1 h0.8
P3: Comments "IN" at 51.4,1 h0.8